# KiCad board spaceapi-map.kicad_pcb
title: Spaceapi Map PCB; date: 2026-02-04; rev: 1; company: Odenwilusenz
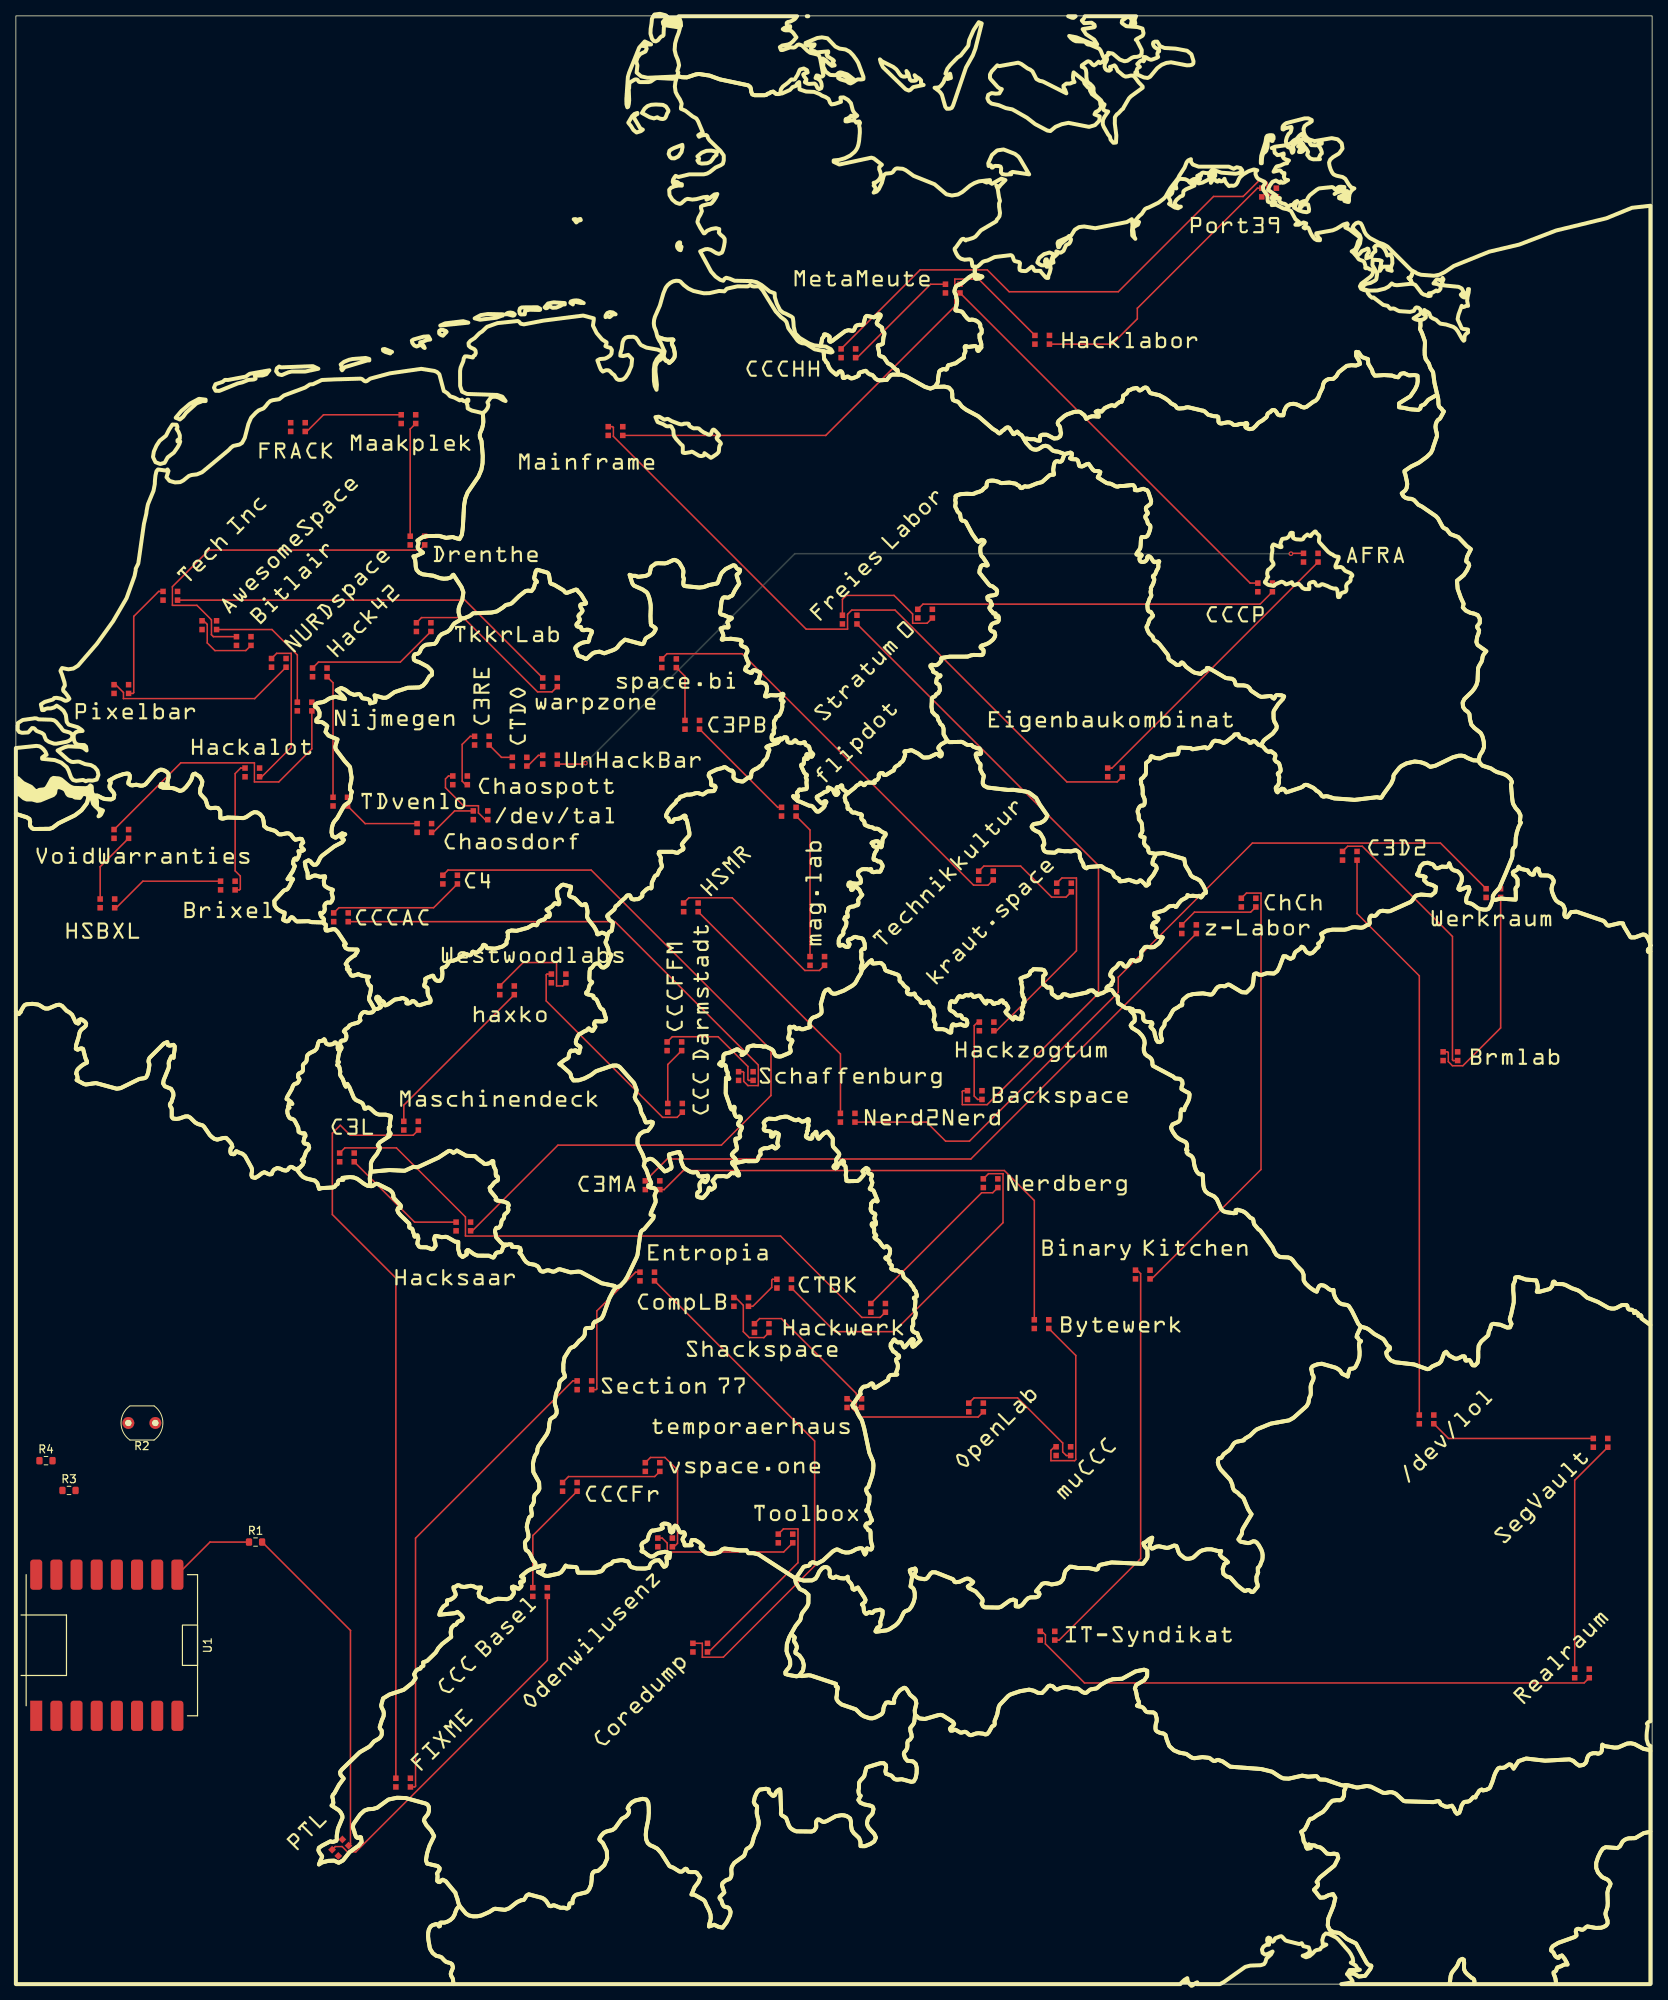
[diagram p0: board, top side]
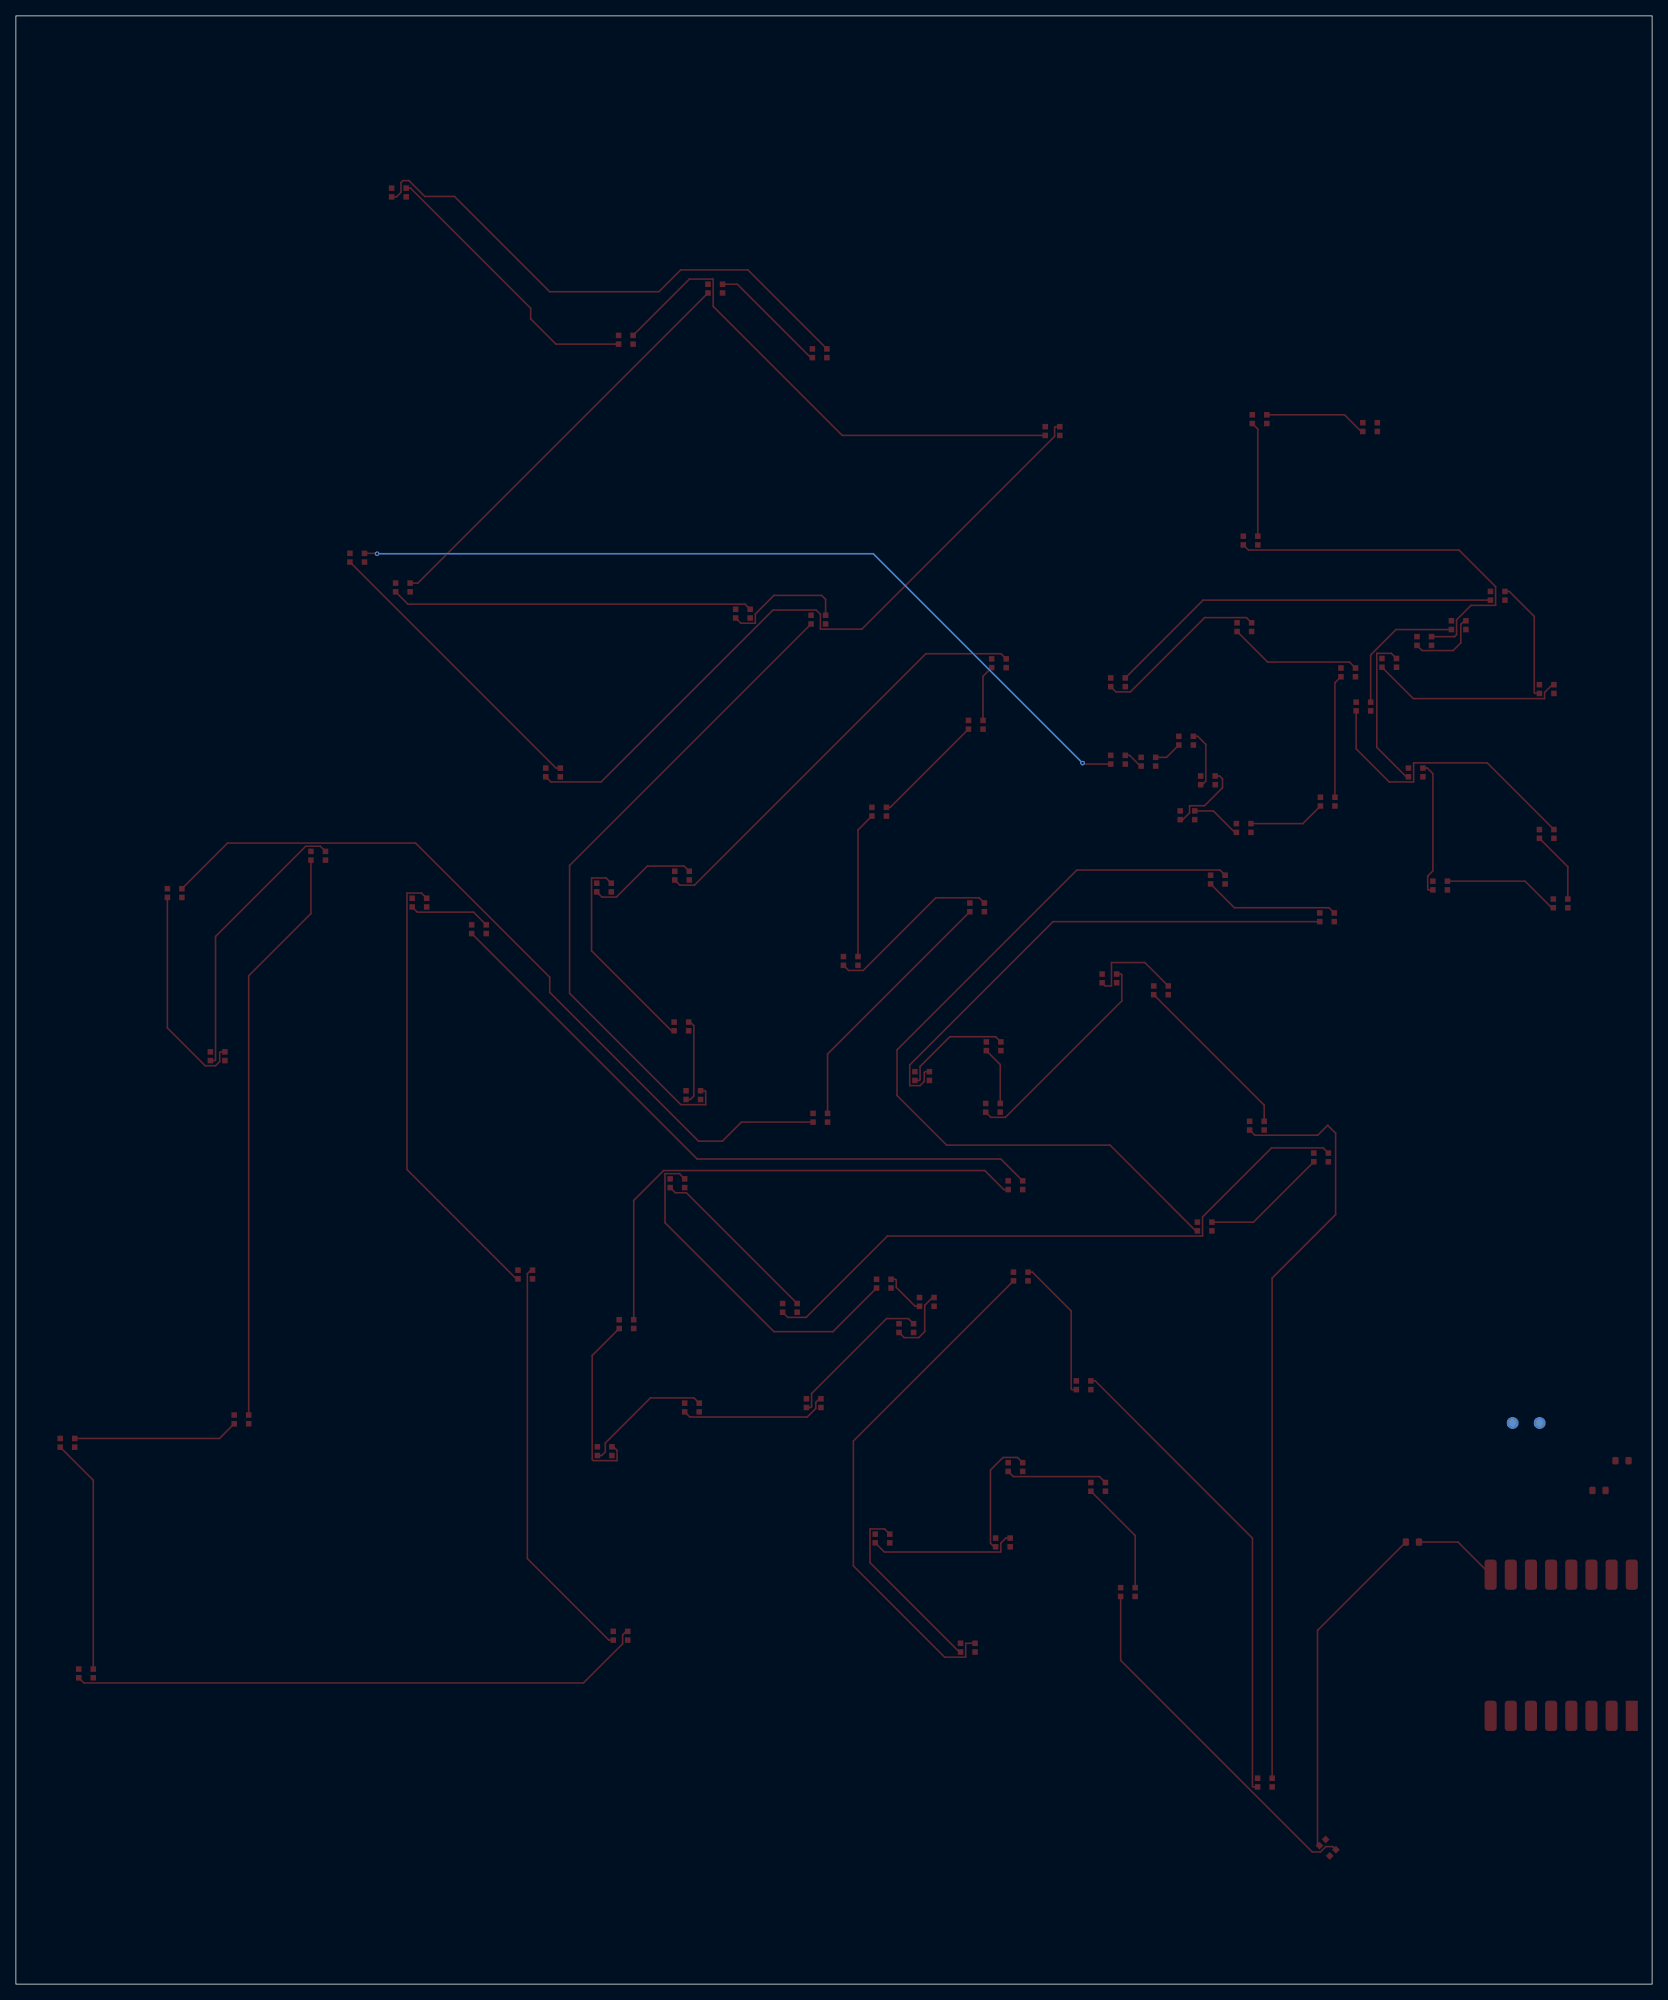
[diagram p1: board, bottom side, seen from below]

Outline 206.12 x 247.94 mm; copper layers: Top, Bottom. Coordinates in mm from the lower left corner of the outline.
Outline path: rectangle 0,247.94 206.12,0

## Placement (name value [footprint] x y rotation side)
D1  WS2812B-2020  [LED_WS2812B-2020_PLCC4_2.0x2.0mm]  40.87 17.19 45 top
D2  WS2812B-2020  [LED_WS2812B-2020_PLCC4_2.0x2.0mm]  66.03 49.39 0 top
D3  WS2812B-2020  [LED_WS2812B-2020_PLCC4_2.0x2.0mm]  69.78 62.64 0 top
D4  WS2812B-2020  [LED_WS2812B-2020_PLCC4_2.0x2.0mm]  80.2 65.14 0 top
D5  WS2812B-2020  [LED_WS2812B-2020_PLCC4_2.0x2.0mm]  81.78 55.64 0 top
D6  WS2812B-2020  [LED_WS2812B-2020_PLCC4_2.0x2.0mm]  96.95 56.14 0 top
D7  WS2812B-2020  [LED_WS2812B-2020_PLCC4_2.0x2.0mm]  86.2 42.39 0 top
D8  WS2812B-2020  [LED_WS2812B-2020_PLCC4_2.0x2.0mm]  79.53 89.14 0 top
D9  WS2812B-2020  [LED_WS2812B-2020_PLCC4_2.0x2.0mm]  71.62 75.44 0 top
D10  WS2812B-2020  [LED_WS2812B-2020_PLCC4_2.0x2.0mm]  48.78 25.39 0 top
D11  WS2812B-2020  [LED_WS2812B-2020_PLCC4_2.0x2.0mm]  49.78 108.14 0 top
D12  WS2812B-2020  [LED_WS2812B-2020_PLCC4_2.0x2.0mm]  61.87 125.19 0 top
D13  WS2812B-2020  [LED_WS2812B-2020_PLCC4_2.0x2.0mm]  68.37 126.69 0 top
D14  WS2812B-2020  [LED_WS2812B-2020_PLCC4_2.0x2.0mm]  83.03 110.39 0 top
D15  WS2812B-2020  [LED_WS2812B-2020_PLCC4_2.0x2.0mm]  82.95 118.14 0 top
D16  WS2812B-2020  [LED_WS2812B-2020_PLCC4_2.0x2.0mm]  91.95 114.39 0 top
D17  WS2812B-2020  [LED_WS2812B-2020_PLCC4_2.0x2.0mm]  40.95 134.39 0 top
D18  WS2812B-2020  [LED_WS2812B-2020_PLCC4_2.0x2.0mm]  54.7 139.14 0 top
D19  WS2812B-2020  [LED_WS2812B-2020_PLCC4_2.0x2.0mm]  56.37 95.44 0 top
D20  WS2812B-2020  [LED_WS2812B-2020_PLCC4_2.0x2.0mm]  41.7 104.14 0 top
D21  WS2812B-2020  [LED_WS2812B-2020_PLCC4_2.0x2.0mm]  108.62 85.19 0 top
D22  WS2812B-2020  [LED_WS2812B-2020_PLCC4_2.0x2.0mm]  122.78 100.89 0 top
D23  WS2812B-2020  [LED_WS2812B-2020_PLCC4_2.0x2.0mm]  96.78 88.24 0 top
D24  WS2812B-2020  [LED_WS2812B-2020_PLCC4_2.0x2.0mm]  91.37 85.94 0 top
D25  WS2812B-2020  [LED_WS2812B-2020_PLCC4_2.0x2.0mm]  93.95 82.64 0 top
D26  WS2812B-2020  [LED_WS2812B-2020_PLCC4_2.0x2.0mm]  105.62 73.19 0 top
D27  WS2812B-2020  [LED_WS2812B-2020_PLCC4_2.0x2.0mm]  120.95 72.64 0 top
D28  WS2812B-2020  [LED_WS2812B-2020_PLCC4_2.0x2.0mm]  131.95 67.14 0 top
D29  WS2812B-2020  [LED_WS2812B-2020_PLCC4_2.0x2.0mm]  129.2 83.14 0 top
D30  WS2812B-2020  [LED_WS2812B-2020_PLCC4_2.0x2.0mm]  80.2 100.64 0 top
D31  WS2812B-2020  [LED_WS2812B-2020_PLCC4_2.0x2.0mm]  147.78 132.89 0 top
D32  WS2812B-2020  [LED_WS2812B-2020_PLCC4_2.0x2.0mm]  155.28 136.24 0 top
D33  WS2812B-2020  [LED_WS2812B-2020_PLCC4_2.0x2.0mm]  141.95 89.39 0 top
D34  WS2812B-2020  [LED_WS2812B-2020_PLCC4_2.0x2.0mm]  129.95 43.89 0 top
D35  WS2812B-2020  [LED_WS2812B-2020_PLCC4_2.0x2.0mm]  197.28 39.14 0 top
D36  WS2812B-2020  [LED_WS2812B-2020_PLCC4_2.0x2.0mm]  199.62 68.19 0 top
D37  WS2812B-2020  [LED_WS2812B-2020_PLCC4_2.0x2.0mm]  177.7 71.14 0 top
D38  WS2812B-2020  [LED_WS2812B-2020_PLCC4_2.0x2.0mm]  168.03 142.14 0 top
D39  WS2812B-2020  [LED_WS2812B-2020_PLCC4_2.0x2.0mm]  180.7 116.89 0 top
D40  WS2812B-2020  [LED_WS2812B-2020_PLCC4_2.0x2.0mm]  186.12 137.44 0 top
D41  WS2812B-2020  [LED_WS2812B-2020_PLCC4_2.0x2.0mm]  104.78 109.14 0 top
D42  WS2812B-2020  [LED_WS2812B-2020_PLCC4_2.0x2.0mm]  85.03 135.64 0 top
D43  WS2812B-2020  [LED_WS2812B-2020_PLCC4_2.0x2.0mm]  100.95 128.89 0 top
D44  WS2812B-2020  [LED_WS2812B-2020_PLCC4_2.0x2.0mm]  97.37 147.69 0 top
D45  WS2812B-2020  [LED_WS2812B-2020_PLCC4_2.0x2.0mm]  85.2 158.64 0 top
D46  WS2812B-2020  [LED_WS2812B-2020_PLCC4_2.0x2.0mm]  82.28 166.39 0 top
D47  WS2812B-2020  [LED_WS2812B-2020_PLCC4_2.0x2.0mm]  122.2 139.64 0 top
D48  WS2812B-2020  [LED_WS2812B-2020_PLCC4_2.0x2.0mm]  132.03 138.14 0 top
D49  WS2812B-2020  [LED_WS2812B-2020_PLCC4_2.0x2.0mm]  122.28 120.64 0 top
D50  WS2812B-2020  [LED_WS2812B-2020_PLCC4_2.0x2.0mm]  120.78 111.99 0 top
D51  WS2812B-2020  [LED_WS2812B-2020_PLCC4_2.0x2.0mm]  105.03 171.89 0 top
D52  WS2812B-2020  [LED_WS2812B-2020_PLCC4_2.0x2.0mm]  114.53 172.64 0 top
D53  WS2812B-2020  [LED_WS2812B-2020_PLCC4_2.0x2.0mm]  157.37 175.94 0 top
D54  WS2812B-2020  [LED_WS2812B-2020_PLCC4_2.0x2.0mm]  118.02 213.58 0 top
D55  WS2812B-2020  [LED_WS2812B-2020_PLCC4_2.0x2.0mm]  104.87 205.44 0 top
D56  WS2812B-2020  [LED_WS2812B-2020_PLCC4_2.0x2.0mm]  157.87 225.69 0 top
D57  WS2812B-2020  [LED_WS2812B-2020_PLCC4_2.0x2.0mm]  129.28 207.14 0 top
D58  WS2812B-2020  [LED_WS2812B-2020_PLCC4_2.0x2.0mm]  75.53 195.64 0 top
D59  WS2812B-2020  [LED_WS2812B-2020_PLCC4_2.0x2.0mm]  138.45 152.64 0 top
D60  WS2812B-2020  [LED_WS2812B-2020_PLCC4_2.0x2.0mm]  163.12 179.69 0 top
D61  WS2812B-2020  [LED_WS2812B-2020_PLCC4_2.0x2.0mm]  67.28 154.24 0 top
D62  WS2812B-2020  [LED_WS2812B-2020_PLCC4_2.0x2.0mm]  63.45 153.99 0 top
D63  WS2812B-2020  [LED_WS2812B-2020_PLCC4_2.0x2.0mm]  58.7 156.64 0 top
D64  WS2812B-2020  [LED_WS2812B-2020_PLCC4_2.0x2.0mm]  55.95 151.64 0 top
D65  WS2812B-2020  [LED_WS2812B-2020_PLCC4_2.0x2.0mm]  58.53 147.24 0 top
D66  WS2812B-2020  [LED_WS2812B-2020_PLCC4_2.0x2.0mm]  51.45 145.64 0 top
D67  WS2812B-2020  [LED_WS2812B-2020_PLCC4_2.0x2.0mm]  40.87 148.96 0 top
D68  WS2812B-2020  [LED_WS2812B-2020_PLCC4_2.0x2.0mm]  38.28 165.24 0 top
D69  WS2812B-2020  [LED_WS2812B-2020_PLCC4_2.0x2.0mm]  51.37 170.94 0 top
D70  WS2812B-2020  [LED_WS2812B-2020_PLCC4_2.0x2.0mm]  67.28 163.99 0 top
D71  WS2812B-2020  [LED_WS2812B-2020_PLCC4_2.0x2.0mm]  19.45 174.89 0 top
D72  WS2812B-2020  [LED_WS2812B-2020_PLCC4_2.0x2.0mm]  13.28 163.14 0 top
D73  WS2812B-2020  [LED_WS2812B-2020_PLCC4_2.0x2.0mm]  33.12 166.44 0 top
D74  WS2812B-2020  [LED_WS2812B-2020_PLCC4_2.0x2.0mm]  29.78 152.64 0 top
D75  WS2812B-2020  [LED_WS2812B-2020_PLCC4_2.0x2.0mm]  26.7 138.39 0 top
D76  WS2812B-2020  [LED_WS2812B-2020_PLCC4_2.0x2.0mm]  11.53 136.14 0 top
D77  WS2812B-2020  [LED_WS2812B-2020_PLCC4_2.0x2.0mm]  13.28 144.89 0 top
D78  WS2812B-2020  [LED_WS2812B-2020_PLCC4_2.0x2.0mm]  36.37 160.94 0 top
D79  WS2812B-2020  [LED_WS2812B-2020_PLCC4_2.0x2.0mm]  24.37 171.19 0 top
D80  WS2812B-2020  [LED_WS2812B-2020_PLCC4_2.0x2.0mm]  28.7 169.19 0 top
D81  WS2812B-2020  [LED_WS2812B-2020_PLCC4_2.0x2.0mm]  50.59 181.85 0 top
D82  WS2812B-2020  [LED_WS2812B-2020_PLCC4_2.0x2.0mm]  49.45 197.14 0 top
D83  WS2812B-2020  [LED_WS2812B-2020_PLCC4_2.0x2.0mm]  35.53 196.14 0 top
R1  200  [R_0603_1608Metric]  30.19 55.69 0 top
R2  LDR07  [R_LDR_5.1x4.3mm_P3.4mm_Vertical]  17.57 70.69 180 top
R3  47k  [R_0603_1608Metric]  6.69 62.19 0 top
R4  47k  [R_0603_1608Metric]  3.79 65.94 0 top
U1  ~  [ESP32C3]  20.34 33.8 90 top

## Library data of the parts
D1-D83 = -: Datasheet: https://cdn-shop.adafruit.com/product-files/4684/4684_WS2812B-2020_V1.3_EN.pdf; Description: RGB LED with integrated controller, 2.0 x 2.0 mm, 12 mA; ki_fp_filters: LED*WS2812*-2020_PLCC4*
R1 R3 R4 = -: Description: Resistor; ki_fp_filters: R_*
R2 = -: Datasheet: http://www.tme.eu/de/Document/f2e3ad76a925811312d226c31da4cd7e/LDR07.pdf; Description: light dependent resistor; ki_fp_filters: R*LDR*5.1x4.3mm*P3.4mm*

## Footprints (pads in the part's own frame, mm; a bottom-side part is the same pattern mirrored in y, then rotated)
ESP32C3
  rect 3.81x1.524 smd: 1(0,17.78)
  rrect 3.81x1.524 smd: 2(0,15.24) 3(0,12.7) 4(0,10.16) 5(0,7.62) 6(0,5.08) 7(0,2.54) 8(0,0) 9(17.78,0) 10(17.78,2.54) 11(17.78,5.08) 12(17.78,7.62) 13(17.78,10.16) 14(17.78,12.7) 15(17.78,15.24) 16(17.78,17.78)
LED_WS2812B-2020_PLCC4_2.0x2.0mm
  rect 0.7x0.7 smd: 1(-0.915,0.55) 2(-0.915,-0.55) 3(0.915,-0.55) 4(0.915,0.55)
R_0603_1608Metric
  rrect 0.8x0.95 smd: 1(-0.825,0) 2(0.825,0)
R_LDR_5.1x4.3mm_P3.4mm_Vertical
  round 1.5 hole 0.8: 1(0,0) 2(3.4,0)

## Nets
+5V: D1.4 D2.4 D3.4 D4.4 D5.4 D6.4 D7.4 D8.4 D9.4 D10.4 D11.4 D12.4 D13.4 D14.4 D15.4 D16.4 D17.4 D18.4 D19.4 D20.4 D21.4 D22.4 D23.4 D24.4 D25.4 D26.4 D27.4 D28.4 D29.4 D30.4 D31.4 D32.4 D33.4 D34.4 D35.4 D36.4 D37.4 D38.4 D39.4 D40.4 D41.4 D42.4 D43.4 D44.4 D45.4 D46.4 D47.4 D48.4 D49.4 D50.4 D51.4 D52.4 D53.4 D54.4 D55.4 D56.4 D57.4 D58.4 D59.4 D60.4 D61.4 D62.4 D63.4 D64.4 D65.4 D66.4 D67.4 D68.4 D69.4 D70.4 D71.4 D72.4 D73.4 D74.4 D75.4 D76.4 D77.4 D78.4 D79.4 D80.4 D81.4 D82.4 D83.4 R4.1 U1.16
GND: D1.2 D2.2 D3.2 D4.2 D5.2 D6.2 D7.2 D8.2 D9.2 D10.2 D11.2 D12.2 D13.2 D14.2 D15.2 D16.2 D17.2 D18.2 D19.2 D20.2 D21.2 D22.2 D23.2 D24.2 D25.2 D26.2 D27.2 D28.2 D29.2 D30.2 D31.2 D32.2 D33.2 D34.2 D35.2 D36.2 D37.2 D38.2 D39.2 D40.2 D41.2 D42.2 D43.2 D44.2 D45.2 D46.2 D47.2 D48.2 D49.2 D50.2 D51.2 D52.2 D53.2 D54.2 D55.2 D56.2 D57.2 D58.2 D59.2 D60.2 D61.2 D62.2 D63.2 D64.2 D65.2 D66.2 D67.2 D68.2 D69.2 D70.2 D71.2 D72.2 D73.2 D74.2 D75.2 D76.2 D77.2 D78.2 D79.2 D80.2 D81.2 D82.2 D83.2 R2.2 R3.2 U1.15
Din: D1.3 R1.2
LDR: R2.1 R3.1 R4.2 U1.12
Net-(D1-DOUT): D1.1 D2.3
Net-(D2-DOUT): D2.1 D3.3
Net-(D3-DOUT): D3.1 D4.3
Net-(D4-DOUT): D4.1 D5.3
Net-(D5-DOUT): D5.1 D6.3
Net-(D6-DOUT): D6.1 D7.3
Net-(D7-DOUT): D7.1 D8.3
Net-(D8-DOUT): D8.1 D9.3
Net-(D10-DIN): D9.1 D10.3
Net-(D10-DOUT): D10.1 D11.3
Net-(D11-DOUT): D11.1 D12.3
Net-(D12-DOUT): D12.1 D13.3
Net-(D13-DOUT): D13.1 D14.3
Net-(D14-DOUT): D14.1 D15.3
Net-(D15-DOUT): D15.1 D16.3
Net-(D16-DOUT): D16.1 D17.3
Net-(D17-DOUT): D17.1 D18.3
Net-(D18-DOUT): D18.1 D19.3
Net-(D19-DOUT): D19.1 D20.3
Net-(D20-DOUT): D20.1 D21.3
Net-(D21-DOUT): D21.1 D22.3
Net-(D22-DOUT): D22.1 D23.3
Net-(D23-DOUT): D23.1 D24.3
Net-(D24-DOUT): D24.1 D25.3
Net-(D25-DOUT): D25.1 D26.3
Net-(D26-DOUT): D26.1 D27.3
Net-(D27-DOUT): D27.1 D28.3
Net-(D28-DOUT): D28.1 D29.3
Net-(D29-DOUT): D29.1 D30.3
Net-(D30-DOUT): D30.1 D31.3
Net-(D31-DOUT): D31.1 D32.3
Net-(D32-DOUT): D32.1 D33.3
Net-(D33-DOUT): D33.1 D34.3
Net-(D34-DOUT): D34.1 D35.3
Net-(D35-DOUT): D35.1 D36.3
Net-(D36-DOUT): D36.1 D37.3
Net-(D37-DOUT): D37.1 D38.3
Net-(D38-DOUT): D38.1 D39.3
Net-(D39-DOUT): D39.1 D40.3
Net-(D40-DOUT): D40.1 D41.3
Net-(D41-DOUT): D41.1 D42.3
Net-(D42-DOUT): D42.1 D43.3
Net-(D43-DOUT): D43.1 D44.3
Net-(D44-DOUT): D44.1 D45.3
Net-(D45-DOUT): D45.1 D46.3
Net-(D46-DOUT): D46.1 D47.3
Net-(D47-DOUT): D47.1 D48.3
Net-(D48-DOUT): D48.1 D49.3
Net-(D49-DOUT): D49.1 D50.3
Net-(D50-DOUT): D50.1 D51.3
Net-(D51-DOUT): D51.1 D52.3
Net-(D52-DOUT): D52.1 D53.3
Net-(D53-DOUT): D53.1 D54.3
Net-(D54-DOUT): D54.1 D55.3
Net-(D55-DOUT): D55.1 D56.3
Net-(D56-DOUT): D56.1 D57.3
Net-(D57-DOUT): D57.1 D58.3
Net-(D58-DOUT): D58.1 D59.3
Net-(D59-DOUT): D59.1 D60.3
Net-(D60-DOUT): D60.1 D61.3
Net-(D61-DOUT): D61.1 D62.3
Net-(D62-DOUT): D62.1 D63.3
Net-(D63-DOUT): D63.1 D64.3
Net-(D64-DOUT): D64.1 D65.3
Net-(D65-DOUT): D65.1 D66.3
Net-(D66-DOUT): D66.1 D67.3
Net-(D67-DOUT): D67.1 D68.3
Net-(D68-DOUT): D68.1 D69.3
Net-(D69-DOUT): D69.1 D70.3
Net-(D70-DOUT): D70.1 D71.3
Net-(D71-DOUT): D71.1 D72.3
Net-(D72-DOUT): D72.1 D73.3
Net-(D73-DOUT): D73.1 D74.3
Net-(D74-DOUT): D74.1 D75.3
Net-(D75-DOUT): D75.1 D76.3
Net-(D76-DOUT): D76.1 D77.3
Net-(D77-DOUT): D77.1 D78.3
Net-(D78-DOUT): D78.1 D79.3
Net-(D79-DOUT): D79.1 D80.3
Net-(D80-DOUT): D80.1 D81.3
Net-(D81-DOUT): D81.1 D82.3
Net-(D82-DOUT): D82.1 D83.3
Net-(U1-D0): R1.1 U1.9

Pads without a net: D83 1; U1 1 2 3 4 5 6 7 8 10 11 13 14

## Via types
v1: diameter 0.6, hole 0.3, Top to Bottom, 2 vias

## Routing (per net, layer and track width the routed paths; a pad name or vN(x,y) marks a point on that pad's centre or on a via; arc(x,y) is an arc through that point)
Din: length 43
  Top w0.2: R1.2 42.15,44.55 42.15,17.69 D1.3
Net-(D1-DOUT): length 45.6
  Top w0.2: D2.3 66.95,40.79 42.81,16.65 41.78,16.65 41.11,17.32 40.22,17.32 D1.1
Net-(D2-DOUT): length 14.5
  Top w0.2: D3.3 65.12,56.51 D2.1
Net-(D3-DOUT): length 12.8
  Top w0.2: D4.3 80.47,63.94 69.62,63.94 D3.1
Net-(D4-DOUT): length 15
  Top w0.2: D4.1 79.94,66.34 81.77,66.34 83.35,64.76 83.35,55.54 82.9,55.09 D5.3
Net-(D5-DOUT): length 18.9
  Top w0.2: D6.3 96.72,54.44 82.05,54.44 82.05,55.56 81.42,56.19 D5.1
Net-(D6-DOUT): length 23.1
  Top w0.2: D7.3 87.27,41.84 98.52,53.09 98.52,57.34 96.69,57.34 D6.1
Net-(D7-DOUT): length 66.1
  Top w0.2: D7.1 86.47,42.94 86.47,41.19 89.12,41.19 100.62,52.69 100.62,68.42 D8.3
Net-(D8-DOUT): length 18
  Top w0.2: D9.3 73.08,74.89 73.18,74.99 73.18,84.8 78.07,89.69 D8.1
Net-(D10-DIN): length 60.5
  Top w0.2: D9.1 70.15,75.99 50.35,56.18 50.35,24.94 50.25,24.84 D10.3
Net-(D10-DOUT): length 96.6
  Top w0.2: D10.1 47.87,88.94 39.87,96.94 39.87,107.19 40.87,108.19 42.12,106.94 50.05,106.94 D11.3
Net-(D11-DOUT): length 21.7
  Top w0.2: D11.1 48.87,110.72 D12.3
Net-(D12-DOUT): length 12.7
  Top w0.2: D12.1 63.9,128.69 68.1,128.69 68.1,125.74 68.88,125.74 D13.3
Net-(D13-DOUT): length 27.5
  Top w0.2: D13.1 66.9,127.24 66.8,127.14 66.8,123.85 81.47,109.19 83.3,109.19 D14.3
Net-(D14-DOUT): length 7.4
  Top w0.2: D14.1 82.12,115.84 D15.3
Net-(D15-DOUT): length 14.3
  Top w0.2: D16.3 92.32,113.84 92.22,113.94 92.22,115.59 88.47,119.34 82.69,119.34 D15.1
Net-(D16-DOUT): length 65.6
  Top w0.2: D16.1 91.59,114.94 91.69,114.84 91.69,113.72 92.22,113.19 93.52,113.19 93.52,115.79 75.47,133.84 D17.3
Net-(D17-DOUT): length 17.1
  Top w0.2: D17.1 40.69,135.59 52.62,135.59 D18.3
Net-(D18-DOUT): length 101.6
  Top w0.2: D18.1 54.44,140.34 72.47,140.34 95.12,117.69 95.12,111.94 88.87,105.69 68.29,105.69 57.49,94.89 D19.3
Net-(D19-DOUT): length 16
  Top w0.2: D20.3 50.22,95.99 D19.1
Net-(D20-DOUT): length 79.5
  Top w0.2: D20.1 41.44,105.34 47.93,105.34 56.63,96.64 56.63,94.24 96.32,94.24 106.57,83.99 108.88,83.99 D21.3
Net-(D21-DOUT): length 22
  Top w0.2: D21.1 121.65,99.69 123.05,99.69 D22.3
Net-(D22-DOUT): length 43.5
  Top w0.2: D23.3 103.2,82.19 110.62,82.19 124.35,95.92 124.35,102.09 122.52,102.09 D22.1
Net-(D23-DOUT): length 5.5
  Top w0.2: D23.1 95.32,88.79 95.22,88.69 95.22,87.77 92.83,85.39 D24.3
Net-(D24-DOUT): length 8.7
  Top w0.2: D24.1 90.66,86.49 91.63,85.51 91.63,82.19 92.39,81.44 94.22,81.44 D25.3
Net-(D25-DOUT): length 19.4
  Top w0.2: D26.3 105.98,72.64 105.88,72.74 105.88,74.39 96.43,83.84 93.69,83.84 D25.1
Net-(D26-DOUT): length 18.8
  Top w0.2: D27.3 121.22,71.44 106.43,71.44 105.35,72.52 105.35,73.29 104.91,73.74 D26.1
Net-(D27-DOUT): length 16.8
  Top w0.2: D28.3 132.32,66.59 131.87,67.04 131.87,68.16 126.19,73.84 120.69,73.84 D27.1
Net-(D28-DOUT): length 23.2
  Top w0.2: D29.3 133.52,79.19 133.52,66.09 133.37,65.94 130.39,65.94 130.39,67.24 130.84,67.69 D28.1
Net-(D29-DOUT): length 64.8
  Top w0.2: D30.3 81.67,100.09 84.07,102.49 124.52,102.49 128.29,98.72 D29.1
Net-(D30-DOUT): length 82.3
  Top w0.2: D30.1 82.04,103.94 120.3,103.94 D31.3
Net-(D31-DOUT): length 10.3
  Top w0.2: D31.1 148.47,135.04 155.55,135.04 D32.3
Net-(D32-DOUT): length 57.3
  Top w0.2: D33.3 143.07,88.84 156.85,102.62 156.85,137.44 155.02,137.44 D32.1
Net-(D33-DOUT): length 51.8
  Top w0.2: D34.3 131.42,43.34 141.69,53.61 141.69,89.49 141.24,89.94 D33.1
Net-(D34-DOUT): length 72.8
  Top w0.2: D34.1 129.24,44.44 129.69,43.99 129.69,42.87 134.62,37.94 197.55,37.94 D35.3
Net-(D35-DOUT): length 29.7
  Top w0.2: D35.1 196.37,63.47 D36.3
Net-(D36-DOUT): length 20.9
  Top w0.2: D36.1 180.47,68.74 D37.3
Net-(D37-DOUT): length 73.1
  Top w0.2: D38.3 168.95,134.86 176.79,127.02 D37.1
Net-(D38-DOUT): length 35.1
  Top w0.2: D38.1 167.77,143.34 169.6,143.34 180.97,131.97 180.97,116.44 181.07,116.34 D39.3
Net-(D39-DOUT): length 27
  Top w0.2: D39.1 180.34,117.44 180.44,117.34 180.44,116.22 180.97,115.69 182.27,115.69 187.03,120.45 D40.3
Net-(D40-DOUT): length 99.5
  Top w0.2: D40.1 179.45,143.74 155.77,143.74 138.87,126.84 138.87,124.94 120.12,106.19 117.12,106.19 114.72,108.59 D41.3
Net-(D41-DOUT): length 32.8
  Top w0.2: D42.3 103.87,117.17 D41.1
Net-(D42-DOUT): length 22.1
  Top w0.2: D43.3 101.22,127.69 99.39,127.69 90.24,136.84 84.77,136.84 D42.1
Net-(D43-DOUT): length 18.4
  Top w0.2: D44.3 100.04,145.38 D43.1
Net-(D44-DOUT): length 14.4
  Top w0.2: D45.3 95.97,148.24 D44.1
Net-(D45-DOUT): length 7.1
  Top w0.2: D45.1 84.29,164.75 D46.3
Net-(D46-DOUT): length 54.4
  Top w0.2: D46.1 82.02,167.59 91.49,167.59 120.64,138.44 122.47,138.44 D47.3
Net-(D47-DOUT): length 13.8
  Top w0.2: D47.1 121.94,140.84 126.57,140.84 130.47,136.94 132.3,136.94 D48.3
Net-(D48-DOUT): length 26.5
  Top w0.2: D49.3 123.52,120.09 133.6,130.17 133.6,139.34 131.77,139.34 D48.1
Net-(D49-DOUT): length 10.9
  Top w0.2: D49.1 121.17,121.19 120.72,120.74 120.72,111.87 121.15,111.44 D50.3
Net-(D50-DOUT): length 84.4
  Top w0.2: D50.1 119.32,112.54 119.22,112.44 119.22,110.79 122.35,110.79 136.37,124.81 136.37,140.92 D51.3
Net-(D51-DOUT): length 15.9
  Top w0.2: D52.3 114.8,171.44 112.97,171.44 112.97,172.59 110.62,174.94 104.62,174.94 104.12,174.44 D51.1
Net-(D52-DOUT): length 45.6
  Top w0.2: D53.3 156.73,173.84 114.27,173.84 D52.1
Net-(D53-DOUT): length 52.7
  Top w0.2: D53.1 155.48,176.49 D54.3
Net-(D54-DOUT): length 15.1
  Top w0.2: D55.3 105.99,204.89 115.23,214.13 D54.1
Net-(D55-DOUT): length 67.5
  Top w0.2: D56.3 158.17,225.14 157.6,225.7 157.6,226.95 157.37,227.19 156.6,227.19 154.6,225.19 150.87,225.19 138.87,213.19 125.12,213.19 122.37,215.94 113.9,215.94 D55.1
Net-(D56-DOUT): length 35.7
  Top w0.2: D56.1 156.4,226.24 141.27,211.1 141.27,209.77 138.09,206.59 D57.3
Net-(D57-DOUT): length 65
  Top w0.2: D58.3 102.02,195.09 118.28,211.35 118.28,214.78 121.27,214.78 D57.1
Net-(D58-DOUT): length 87.3
  Top w0.2: D59.3 138.72,151.44 132.4,151.44 110.75,173.09 105.3,173.09 104.77,172.56 104.77,170.69 99.55,170.69 75.27,194.97 75.27,196.09 75.17,196.19 D58.1
Net-(D59-DOUT): length 37.2
  Top w0.2: D59.1 138.08,153.19 D60.3
Net-(D60-DOUT): length 105
  Top w0.2: D61.3 71.62,153.69 v1(71.74,153.81) ; v1(160.62,180.19) 160.67,180.24 D60.1
  Bottom w0.2: v1(71.74,153.81) 98.12,180.19 v1(160.62,180.19)
Net-(D61-DOUT): length 2.6
  Top w0.2: D62.3 64.47,153.44 65.82,154.79 D61.1
Net-(D62-DOUT): length 3.6
  Top w0.2: D63.3 61.17,154.54 D62.1
Net-(D63-DOUT): length 7.5
  Top w0.2: D63.1 57.24,157.19 56.22,156.17 56.22,151.54 56.67,151.09 D64.3
Net-(D64-DOUT): length 9.7
  Top w0.2: D65.3 59.12,146.69 58.27,147.54 58.27,148.44 56.39,148.44 54.12,150.71 54.12,151.82 54.49,152.19 D64.1
Net-(D65-DOUT): length 6.4
  Top w0.2: D65.1 55.27,147.79 52.57,145.09 D66.3
Net-(D66-DOUT): length 9.7
  Top w0.2: D66.1 44,146.19 D67.3
Net-(D67-DOUT): length 15.5
  Top w0.2: D67.1 39.95,163.93 D68.3
Net-(D68-DOUT): length 16.8
  Top w0.2: D68.1 38.12,166.54 48.43,166.54 D69.3
Net-(D69-DOUT): length 22.2
  Top w0.2: D70.3 67.55,162.79 65.72,162.79 56.37,172.14 51.1,172.14 D69.1
Net-(D70-DOUT): length 50.1
  Top w0.2: D71.3 56.57,174.34 D70.1
Net-(D71-DOUT): length 15.3
  Top w0.2: D71.1 17.99,175.44 14.85,172.3 14.85,162.69 14.75,162.59 D72.3
Net-(D72-DOUT): length 24.5
  Top w0.2: D72.1 12.57,163.69 13.55,162.71 13.55,161.94 30.08,161.94 D73.3
Net-(D73-DOUT): length 20.1
  Top w0.2: D73.1 32.85,167.64 34.68,167.64 34.68,155.8 30.97,152.09 D74.3
Net-(D74-DOUT): length 17.1
  Top w0.2: D75.3 28.17,137.84 28.27,137.94 28.27,139.59 27.62,140.24 27.62,152.49 28.32,153.19 D74.1
Net-(D75-DOUT): length 14.7
  Top w0.2: D75.1 16,138.94 12.65,135.59 D76.3
Net-(D76-DOUT): length 9.1
  Top w0.2: D76.1 10.62,140.76 D77.3
Net-(D77-DOUT): length 37.3
  Top w0.2: D77.1 20.77,153.84 30.05,153.84 30.05,151.44 33.12,151.44 37.28,155.6 D78.3
Net-(D78-DOUT): length 17.4
  Top w0.2: D78.1 35.45,167.44 32.25,170.64 D79.3
Net-(D79-DOUT): length 9.4
  Top w0.2: D80.3 28.97,167.99 25.07,167.99 24.1,168.95 24.1,171.29 23.66,171.74 D79.1
Net-(D80-DOUT): length 47.1
  Top w0.2: D80.1 24.88,169.74 24.63,169.99 24.63,171.86 22.81,173.69 19.72,173.69 19.72,176.04 24.32,180.64 50.85,180.64 D81.3
Net-(D81-DOUT): length 14.5
  Top w0.2: D81.1 49.67,195.89 D82.3
Net-(D82-DOUT): length 13
  Top w0.2: D82.1 38.75,197.69 36.65,195.59 D83.3
Net-(U1-D0): length 10.7
  Top w0.2: R1.1 24.45,55.69 U1.9
